# Altium PCB hand_logic.PcbDoc (part 2 of 4) (continued)
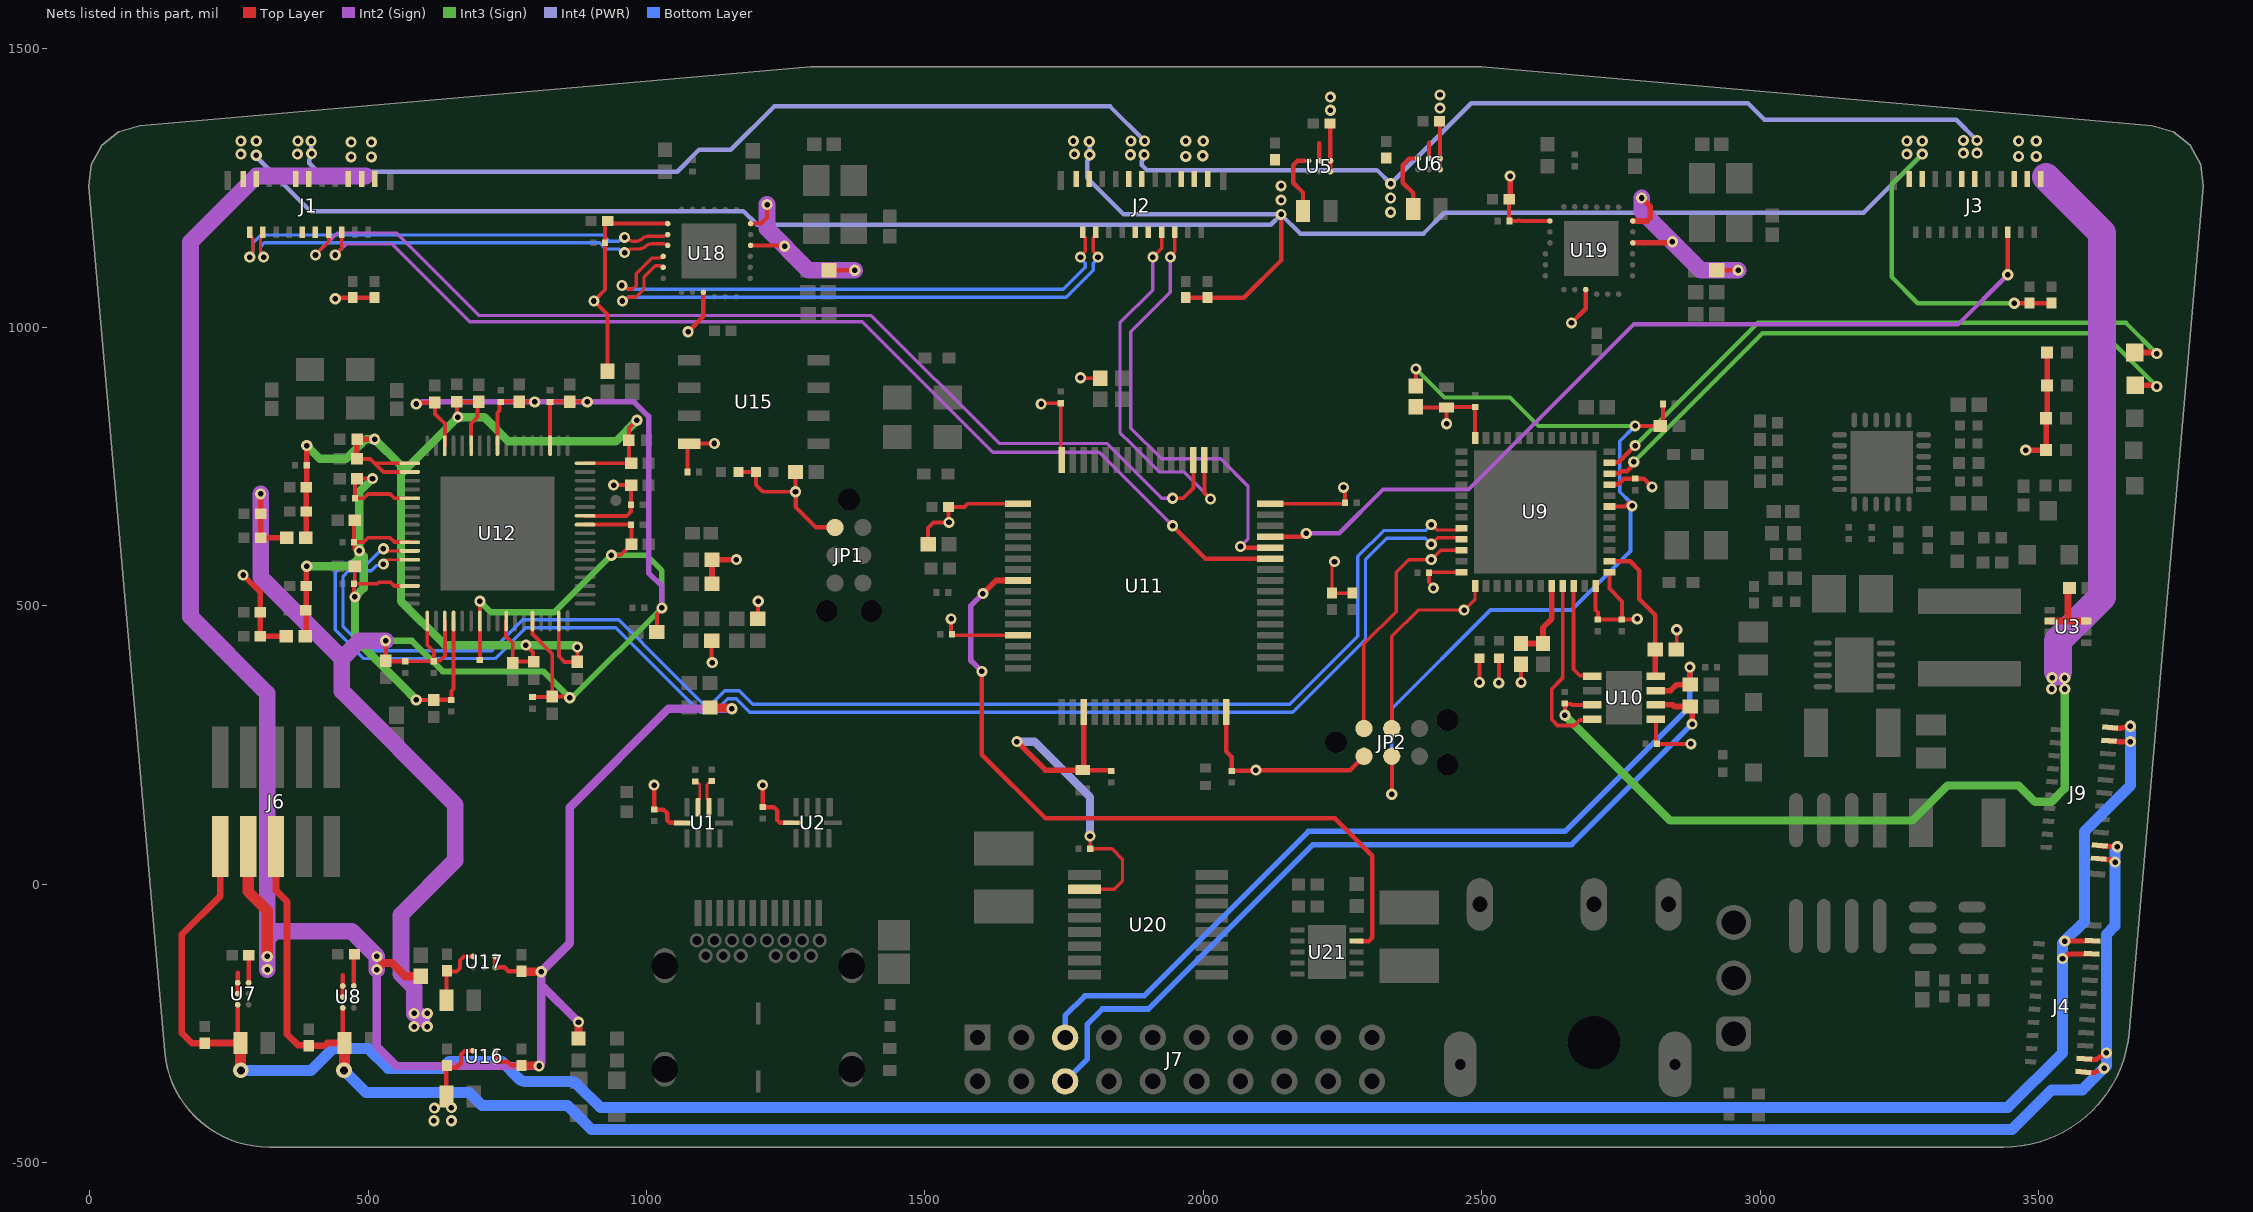
[diagram p6: the nets of this part, all layers, seen from the top]
## Part data (continued)
U4: library part CMP-12917-000005-1, "IC USB TYPE-C PORT CONTROL 24QFN"
U5 U7: library part CMP-0063-01484-2, "High Accuracy, Miniature 1A, Step-Down DC-DC Converter for Portable Applications, 6-pin Micro SMD, 250 Reel", Manufacturer="Texas Instruments", PackageTopMarking="XV*I T", PowerWise=N, Code_JEDEC=MO-211-DB, ComponentLink1Description="Datasheet URL", ComponentLink1URL=http://www.ti.com/general/docs/lit/getliterature.tsp?genericPartNumber=LM3691&fileType=pdf, CompType=MiscPower, High-Reliability=Y, PackageDescription="Thin Micro SMD, 6 Bump (Large), 0.5mm Pitch", PackageReference=YZR0006APAF, PartNumber=LM3691TL-3.3/NOPB, PinCount=6, RoHS=Y
U6 U8: library part CMP-0063-00271-3, "High Accuracy, Miniature 1A, Step-Down DC-DC Converter for Portable Applications, 6-pin Micro SMD, Pb-Free", Manufacturer="Texas Instruments", PackageTopMarking="XV*I Z", PowerWise=Y, Code_JEDEC=MO-211-DB, ComponentLink1Description="Datasheet URL", ComponentLink1URL=http://www.ti.com/general/docs/lit/getliterature.tsp?genericPartNumber=LM3691&fileType=pdf, CompType=MiscPower, High-Reliability=Y, PackageDescription="Thin Micro SMD, 6 Bump (Large), 0.5mm Pitch", PackageReference=YZR0006APAF, PartNumber=LM3691TL-1.8/NOPB, PinCount=6, RoHS=Y
U9: library part CMP-0304-00167-3, "IC MCU 32BIT 64KB FLASH 48UFQFPN", Case/Package=UFQFPN, Frequency=48MHz, Max Operating Temperature=85°C, Max Power Dissipation=625mW, Max Supply Voltage=3.6V, Min Operating Temperature=-40°C, Min Supply Voltage=2V, Package Quantity=1560, Core Architecture=ARM, Data Bus Width=32b, Interface=I2C, Lead Free="Lead Free", Max Frequency=48MHz, Memory Size=64KB, Memory Type=FLASH, Number Of Adc Channels=13, Number Of I/Os=37, Number of Pins=48, Number of Programmable I/O=37, Number Of Timers/Counters=9, Oscillator Type=Internal, Packaging=Tray, Peripherals=POR, Ram Size=16KB, RoHS Compliant=Yes, Watchdog Timer=Yes
U10: "Integrated Circuit", Manufacturer_Name="Texas Instruments", Mouser Part Number=595-TCAN1051GVDRBTQ1, Arrow Part Number=TCAN1051GVDRBTQ1, Arrow Price/Stock=https://www.arrow.com/en/products/tcan1051gvdrbtq1/texas-instruments?region=nac, Datasheet Link=http://www.ti.com/lit/gpn/tcan1051gv-q1, Height=1mm, Manufacturer_Part_Number=TCAN1051GVDRBTQ1, Mouser Price/Stock=https://www.mouser.co.uk/ProductDetail/Texas-Instruments/TCAN1051GVDRBTQ1?qs=HXFqYaX1Q2wS4ATjga%252BGjQ%3D%3D
U11: library part CMP-12105-000007-1, "IC MCU 32BIT 512KB FLASH 64LQFP", Ambient Temperature Range High=+85°C, Ambient Temperature Range Low=-40°C, Frequency=180MHz, Manufacturer=ST, Max Junction Temp=+105°C, Max Supply Voltage=3.6V, Min Supply Voltage=1.7V, Package=LQFP64-5W, Temperature="-40°C to +105°C", Automotive=No, Category=IC, ComponentLink2Description=Datasheet, ComponentLink2URL=https://www.st.com/en/microcontrollers-microprocessors/stm32f446re.html, Core Architecture="ARM Cortex-M4", Data Bus Width=32bits, Device Class L1="Integrated Circuits (ICs)", Device Class L2="Embedded Processors and Controllers", Device Class L3=Microcontrollers, Digikey Description="IC MCU 32BIT 512KB FLASH 64LQFP", Height=1.6mm, Interface=I2C,SPI,UART,USART,CAN,USB,LIN,IrDA,I2S,Other, Ipc Land Pattern Name=QFP50P1200X1200X160-64, Lead Free=Yes, Manufacturer Part Number=STM32F446RET6, Memory Size=512KBytes, Memory Type=FLASH, Mouser Description="ARM Microcontrollers - MCU High-performance and DSP with FP, ARM Cortex-M4 MCU with 512 Kbytes Flash, 180 MHz CPU, Art Accelerator, SDRAM", Number Of A/D Converters=3, Number Of Adc Channels=16, Number Of Cores=1, Number Of I2C Channels=4, Number Of I/Os=50, Number Of Pwm Channels=32, Number Of Spi Channels=4, Number Of Timers/Counters=14, Number Of Uart Channels=6, Number Of Usb Channels=2, Octopart=https://octopart.com/stm32f446ret6-stmicroelectronics-52642920, Ram Size=128KBytes, RoHS=TRUE, Standoff Height=0.05mm, Temperature Range High=+105°C, Temperature Range Low=-40°C
U12: "IC USB 3.0 HUB 4-PORT 68QFN", Manufacturer="Cypress Semiconductor", Part Number=CYUSB3304-68LTXC
U15: "No Description Available", Mfr_Name="ROHM Semiconductor", Copyright="Copyright (C) 2022 Ultra Librarian. All rights reserved.", Digi-Key_Part_Number_1=BR24S128F-WE2TR-ND, Digi-Key_Part_Number_2=BR24S128F-WE2CT-ND, Digi-Key_Part_Number_3=BR24S128F-WE2DKR-ND, Manufacturer_Part_Number=BR24S128F-WE2, RefDes=RefDes, Type=DEV
U16: "Buck Switching Regulator IC Positive Fixed 3.3V 1 Output 1A 6-WFBGA, DSBGA", Manufacturer="Texas Instruments", Part Number=LM3691TL-3.3/NOPB
U17: "Buck Switching Regulator IC Positive Fixed 1.2V 1 Output 1A 6-WFBGA, DSBGA", Manufacturer="Texas Instruments", Part Number=LM3691TL-1.2/NOPB
U18 U19: library part CMP-06284-000010-1, "IC HUB CTLR USB 2.0 24QFN", Ambient Temperature Range High=+85°C, Ambient Temperature Range Low=-40°C, Manufacturer=Microchip, Max Supply Voltage=3.6V, Min Supply Voltage=3V, Nominal Supply Current=29-70mA, Package=24-S4QFN-4x4B-0.5P, Temperature="-40°C to +85°C", Automotive=No, Category=IC, ComponentLink2Description=Datasheet, ComponentLink2URL=http://ww1.microchip.com/downloads/en/DeviceDoc/00001726B.pdf, Device Class L1="Integrated Circuits (ICs)", Device Class L2="Interface ICs", Device Class L3="USB Interface ICs", Digikey Description="IC HUB CTLR USB 2.0 24QFN", Height=1mm, Interface=I2C,USB,SMBus, Ipc Land Pattern Name=QFN50P400X400X90-24, Lead Free=Yes, Manufacturer Part Number=USB2422-I/MJ, Mouser Description="Microchip USB2422-I/MJ; USB Controller; USB 2.0; 3 - 3.6 V; 24-Pin SQFN", Number of Ports=2, Octopart=https://octopart.com/usb2422-i%2Fmj-microchip-29030614, RoHS=TRUE, Standoff Height=0mm, Temperature Range High=+85°C, Temperature Range Low=-40°C, Usb Standard="USB 2.0"
U20: library part CMP-04910-000015-1, "IC MONITOR PWR/CURR 16TSSOP", Ambient Temperature Range High=+125°C, Ambient Temperature Range Low=-40°C, Manufacturer="Texas Instruments", Max Junction Temp=+150°C, Max Supply Voltage=5.5V, Min Supply Voltage=2.7V, Nominal Supply Current=310uA, Output Current=10mA, Package=PW0016A, Temperature="-40°C to +125°C", Automotive=No, Category=IC, ComponentLink2Description=Datasheet, ComponentLink2URL=http://www.ti.com/lit/ds/symlink/ina260.pdf, Device Class L1="Integrated Circuits (ICs)", Device Class L2="Power Management ICs", Device Class L3=unset, Digikey Description="IC MONITOR PWR/CURR 16TSSOP", Height=1.2mm, Lead Free=Yes, Manufacturer Part Number=INA260AIPWR, Octopart=https://octopart.com/ina260aipwr-texas+instruments-75199489, RoHS=TRUE, Standoff Height=0.05mm, Temperature Range High=+125°C, Temperature Range Low=-40°C
U21: library part CMP-02501-000003-1, "IC PWR SWITCH P-CHAN 1:1 10DFN", Case/Package=DFN, Max Operating Temperature=85°C, Max Output Current=3.5A, Max Power Dissipation=1.42W, Max Supply Voltage=28V, Min Operating Temperature=-40°C, Min Supply Voltage=6V, On-State Resistance=56mR, Package Quantity=2500, Fault Protection="Over Temperature", Interface=On/Off, Mount="Surface Mount", Number of Outputs=1, Number of Pins=10, Output Configuration="High Side", Packaging="Tape and Reel", Radiation Hardening=No, Turn-Off Delay Time=1us, Turn-On Delay Time=550us, Weight=0.001764oz
U22: library part CMP-04918-000651-1, "IC REG BUCK ADJUSTABLE 3A 10VSON", Max Input Voltage=28V, Max Operating Temperature=85°C, Max Output Voltage=24V, Min Input Voltage=4.2V, Min Operating Temperature=-40°C, Min Output Voltage=800mV, Output Current=3A, Quiescent Current=600uA, Switching Frequency=570kHz, Lead Free="Lead Free", Mount="Surface Mount", Number of Outputs=1, Number of Pins=10, Output Configuration=Positive, Output Type=Adjustable, Output Voltage=24V, Packaging="Tape and Reel", REACH SVHC="No SVHC", RoHS Compliant=Yes, Synchronous Rectifier=Yes
Y1 Y2: "The sub miniature ECX-32 is a compact SMD Crystal. The 3.2 x 2.5 x 0.8 mm ceramic package is ideal for todayâ€™s SMD manufacturing environment.", Package=None, Availability=Unavailable, MF="{'manufacturer': u'ECS Inc.'}", MP=ECS-80-18-33-JGN-TR, Price=None
Y3: library part CMP-27762-002739-1, "Crystal 26MHz ±10ppm 10pF SMD-4 3.2mm x 2.5mm", Case/Package=CSMD, ESR (Equivalent Series Resistance)=50R, Frequency=26MHz, Frequency Stability=10ppm, Load Capacitance=10pF, Max Operating Temperature=60°C, Min Operating Temperature=-10°C, Operating Frequency="26 MHz", Package Quantity=1000, Resistor Type=Ceramic, Depth=2.5mm, Frequency Tolerance=10ppm, Height=0.031inch, Lead Free="Lead Free", Length=3.2mm, Mount="Surface Mount", Number of Pins=4, Packaging="Tape and Reel", REACH SVHC="No SVHC", Series=ABM8, Series Resistance=50R, Termination=SMD/SMT, Tolerance=10ppm, Width=2.5mm
Y4 Y5: library part CMP-27762-003871-2, "Crystal 24MHz ±20ppm (Tol) ±30ppm (Stability) 18pF FUND 60Ω 4-Pin SMD T/R", Case/Package=CSMD, ESR (Equivalent Series Resistance)=60R, Frequency=24MHz, Frequency Stability=30ppm, Frequency Tolerance=20ppm, Load Capacitance=18pF, Max Operating Temperature=85°C, Min Operating Temperature=-40°C, Operating Frequency="24 MHz", Package Quantity=1000, Depth=2.5mm, Height=0.039inch, Lead Free="Lead Free", Length=3.2mm, Mount="Surface Mount", Number of Pins=4, Packaging="Tape and Reel", Radiation Hardening=No, Series=ABM8G, Series Resistance=60R, Termination=SMD/SMT, Tolerance=20ppm, Width=0.098inch
Z1: "Zener Diode", Manufacturer_Name=Nexperia, Mouser Part Number=771-NZH10C-115, Arrow Part Number=NZH10C,115, Arrow Price/Stock=https://www.arrow.com/en/products/nzh10c115/nexperia?region=nac, Datasheet Link=https://assets.nexperia.com/documents/data-sheet/NZH_SER.pdf, Height=1.2mm, Manufacturer_Part_Number=NZH10C,115, Mouser Price/Stock=https://www.mouser.co.uk/ProductDetail/Nexperia/NZH10C115?qs=5DYmZrWuUEoyHVRX7wWPEg%3D%3D

## Free pads (board coordinates)
  round 20 smd: 2(944.88,688.98)

## Via types
v1: diameter 20, hole 10, Top Layer to Bottom Layer, tented both sides, 623 vias
v2: diameter 24, hole 12, Top Layer to Bottom Layer, tented both sides, 13 vias
v3: diameter 28, hole 14, Top Layer to Bottom Layer, tented both sides, 2 vias

## Nets (pads, with @x,y where several pads share a name; then routed paths per layer and width w, separated by ;. In a path a pad name is that pad's centre, name@x,y a point inside that pad or via, vN(x,y) a via of type N, cw(c..) or ccw(c..) an arc to the next point about the centre after c; other vN are vias at no path point)
1V2: C54.1 C57.1 C58.1 C66.1 C67.1 C68.1 C69.1 C70.1 C71.1 C72.1 C73.2 C74.2 C75.2 C76.2 C77.2 C78.2 FB3.1 L6.2 R27.2 U12.1 U12.3 U12.7 U12.13 U12.27 U12.37 U12.43 U12.49 U17.C1 | length 4547.2
  Top Layer w7: C68.1@566.93,400.2 C69.1@618.11,400.2 ; v1@592.89,864.96 C73.2@620.08,864.96 620.08,844.49 637.8,826.77 U12.49@637.8,787.4 ; U12.1@606.3,472.44 606.3,429.13 618.11,417.32 C69.1@618.11,400.2 ; U12.3@637.8,472.44 637.8,409.45 629.46,401.11 619.03,401.11 C69.1@618.11,400.2 ; L6.2@640.75,-208.66 640.75,-156.78 659.17,-156.78 665.35,-150.59 665.35,-136.81 672.24,-129.92 U17.C1@688.98,-129.92 ; C70.1@700.79,402.76 U12.7@700.79,472.44 v1(700.79,507.87) ; U12.43@732.28,787.4 732.28,846.46 736.22,850.39 736.22,864.17 C72.1@738.19,866.14 738.58,866.54 C76.2@771.65,866.54 798.82,866.54 v1(799.21,866.14) ; C66.1@795.28,335.83 829.72,335.83 C75.2@830.71,336.81 ; U12.13@795.28,472.44 795.28,448.82 830.71,413.39 C75.2@830.71,336.81 ; U12.37@826.77,787.4 C71.1@826.77,866.14 827.17,866.54 C74.2@862.2,866.54 893.31,866.54 v1(893.7,866.14) ; v1(862.2,334.65) 860.04,336.81 C75.2@830.71,336.81 ; U12.27@889.76,645.67 C67.1@972.44,645.67 973.23,644.88 C77.2@973.23,610.24 972.44,610.24 965.7,603.5 965.7,602.71 953.54,590.55 v1(937.01,590.55) ; R27.2@1018.7,452.76 1018.7,485.46 1027.56,494.32 v1(1027.56,496.06)
  Top Layer w8: v1(531.5,437.01) C78.2@531.5,401.18 532.48,400.2 C68.1@566.93,400.2
  Top Layer w10: v1(307.09,700.79) C58.1@307.09,665.35 C57.1@307.09,622.05 FB3.1@354.33,622.05
  Int2 (Sign) w10: v1(586.61,862.2) 588.53,864.12 595.24,864.12 597.47,866.35 v1@797.5,866.35 ; v1(799.21,866.14) v1(893.7,866.14) 977.87,866.14 1003.94,840.07 1003.94,559.06 1027.56,535.43 v1(1027.56,496.06)
  Int2 (Sign) w30: v1(307.09,700.79) 307.09,551.18 452.76,405.51 ; v1(531.5,437.01) 484.25,437.01 452.76,405.51 ; 597.03,-241.55 587.77,-232.28 v1(582.68,-232.28) 582.68,-185.04 559.06,-161.42 559.06,-55.12 656.5,42.32 656.5,142.72 452.76,346.46 452.76,405.51
  Int3 (Sign) w10: v1(862.2,334.65) 864.12,336.56 868.06,336.56 v1(1027.56,496.06) 1027.56,562.99 1000,590.55 v1(937.01,590.55)
  Int3 (Sign) w11: v1(531.5,437.01) 578.74,437.01 633.86,381.89 814.96,381.89 v1(862.2,334.65) ; v1(700.79,507.87) 720.47,488.19 834.65,488.19 v1(937.01,590.55)
  other v1: 582.68,-255.91 606.3,-255.91 606.3,-232.28
1V2_A: C59.1 C60.1 C61.1 C83.2 C84.2 C85.2 C86.2 C88.2 C89.2 C90.2 C91.2 C92.2 FB3.2 U12.10 U12.16 U12.34 U12.46 U12.52 U12.53 | length 2309.3
  Top Layer w7: C92.2@479.92,763.78 503.94,763.78 511.81,755.91 ; U12.53@574.8,740.16 527.56,740.16 511.81,755.91 ; U12.52@574.8,755.91 511.81,755.91 ; v1(661.42,838.58) 659.45,840.55 C85.2@659.45,866.14 C91.2@698.82,866.14 696.85,864.17 696.85,838.58 685.04,826.77 U12.46@685.04,787.4 ; U12.10@748.03,472.44 748.03,444.88 759.84,433.07 C88.2@759.84,397.24 762.2,399.61 C83.2@797.24,399.61 796.36,400.49 796.36,416.24 v1(783.46,429.13) ; U12.16@842.52,472.44 842.52,418.55 842.71,418.36 842.71,409.26 852.76,399.21 C89.2@875.98,399.21 v1(875.96,425.51) ; U12.34@889.76,755.91 C90.2@972.83,755.91 968.5,760.24 968.5,818.9 v1(982.67,833.06)
  Top Layer w10: FB3.2@388.08,622.05 388.92,622.89 C59.1@388.92,669.29 C60.1@388.92,712.6 389.76,713.44 C61.1@389.76,751.97 v1(389.76,787.4) ; C92.2@479.92,763.78 479.92,798.82 C84.2@480.31,799.21 511.5,799.21 v1(511.81,798.9)
  Int3 (Sign) w15: v1(389.76,787.4) 413.39,763.78 460.63,763.78 495.75,798.9 v1(511.81,798.9) 559.06,751.65 559.06,736.22 ; v1(875.96,425.51) 874.61,425.51 870.99,429.13 637.8,429.13 559.06,507.87 559.06,736.22 ; v1(982.67,833.06) 944.88,795.28 751.97,795.28 708.66,838.58 v1(661.42,838.58) 559.06,736.22
1V8_FINGER: C15.1 J1.11 J1.13 J2.11 J2.13 J3.11 J3.13 L2.2 U6.C1 | length 3365
  Top Layer w8: C15.1@2327.9,1303.15 C15.1@2328.74,1303.99 ; L2.2@2376.97,1212.6 2376.97,1241.14 2358.27,1259.84 2358.27,1291.34 2370.08,1303.15 U6.C1@2385.83,1303.15
  Int4 (PWR) w8: v1(397.64,1334.65) 398.13,1334.15 398.13,1312.5 v1(398.62,1312.01) 396.33,1309.71 396.33,1303.37 394.28,1301.32 394.28,1294.69 409.45,1279.53 1055.12,1279.53 1094.49,1318.9 1151.57,1318.9 1229.33,1396.65 1832.68,1396.65 v1(1894.68,1334.65) ; v1(1893.7,1310.04) 1891.4,1307.74 1891.4,1300.99 1889.76,1299.35 1889.76,1291.34 1898.62,1282.48 2312.01,1282.48 v1(2336.61,1257.87) 2481.3,1402.56 2978.35,1402.56 3007.87,1373.03 3352.36,1373.03 v1(3389.76,1335.63)
  other v1: 2336.61,1206.69 2336.61,1232.28 1869.09,1310.04 373.03,1311.02 3365.16,1312.99 3389.76,1312.99 374.02,1334.65 1870.08,1334.65 3365.16,1335.63
1V8_PALM: C19.1 J4.1 J4.3 J6.5 J9.1 J9.3 L4.2 U8.C1 | length 4376.1
  Top Layer w8: U8.C1@454.72,-222.44 454.72,-282.48 L4.2@457.68,-285.43
  Top Layer w9: J4.1@3580.82,-337.56 3590.46,-338.34 3597.29,-338.89 ; J4.3@3582.47,-313.99 3592.11,-314.76 3599.89,-315.38 ; 3597.33,-338.89 ccw(c3598.01,-329.92) 3601.68,-338.13 v1(3618.11,-330.71) ; 3599.94,-315.39 ccw(c3600.61,-306.41) 3605.51,-313.96 v1(3622.05,-303.15)
  Top Layer w10: J9.1@3608.23,45.66 3628.14,43.5 cw(c3627.06,33.56) 3631.53,42.5 v1(3637.8,39.37) ; J9.3@3610.29,69.2 v1(3641.73,66.93)
  Top Layer w12: J6.5@334.65,67.52 334.65,-11.81 354.33,-31.5 354.33,-269.69 373.97,-289.33 392.53,-289.33 C19.1@393.7,-290.49 422.1,-290.49 427.17,-285.43 L4.2@457.68,-285.43
  Top Layer w20: v3(456.69,-334.65) 457.68,-333.66 L4.2@457.68,-285.43
  Bottom Layer w20: v3(456.69,-334.65) 496.46,-374.41 681.5,-374.41 704.72,-397.64 858.27,-397.64 901.57,-440.94 3452.76,-440.94 3523.62,-370.08 3578.74,-370.08 v1(3618.11,-330.71) 3622.05,-326.77 v1(3622.05,-303.15) 3622.05,-90.55 3637.8,-74.8 v1(3637.8,39.37) 3637.8,62.99 v1(3641.73,66.93)
3V3: C1.1 C6.1 C22.2 C23.2 C24.2 C25.2 C26.2 C27.1 C32.2 C36.2 C37.2 C38.2 C39.2 C40.2 C42.1 C43.1 C52.2 C53.1 C62.1 C63.1 C87.1 C97.2 C98.1 C99.1 C104.1 C105.1 C111.2 FB4.1 JP1.1 JP2.1 L5.2 R12.2 R13.2 R14.1 R15.1 R16.2 R19.2 R22.1 R23.1 R24.2 R28.2 R29.2 R32.2 R33.2 R42.2 R43.2 R44.2 R46.2 R51.2 R56.2 R57.2 R71.2 R72.2 R84.2 U1.5 U2.5 U9.1 U9.9 U9.24 U9.36 U9.48 U10.5 U11.1 U11.13 U11.19 U11.32 U11.48 U11.64 U12.28 U15.8 U16.C1 U18.1 U18.9 U18.16 U18.18 U19.1 U19.9 U19.16 U19.18 U20.10 | length 5729.4
  Top Layer w6: U20.10@1786.92,-9.34 1840.07,-9.34 1854.84,5.43 1854.84,44.8 1836.14,63.5 C111.2@1796.96,63.5 1796.96,85.7 v1(1796.65,86.02) ; v1(2235.75,579.21) 2235.75,575.42 2231.3,570.97 R57.2@2231.3,522.64 R56.2@2267.72,522.64
  Top Layer w7: U12.28@889.76,661.42 964.57,661.42 972.21,669.06 972.21,680.87 C87.1@972.44,681.1 972.44,716.14 C97.2@972.83,716.54 v1(940.94,716.54) ; R84.2@930.12,921.26 930.12,1022.64 v1(905.51,1047.24) 925.79,1067.52 925.79,1186.47 C99.1@930.26,1190.94 934.88,1186.32 U18.1@1038.09,1186.32 ; C52.2@1073.62,740.16 1073.62,787.85 U15.8@1076.91,791.14 1121.85,791.14 v1(1122.05,791.34) ; R28.2@1117.13,437.01 1117.13,398.62 v1(1118.11,397.64) ; R43.2@1165.35,740.16 R44.2@1196.85,740.16 1196.85,716.54 1206.61,706.77 ; U18.16@1186.88,1146.95 1246.75,1146.95 v1(1248.03,1145.67) ; U18.18@1186.88,1186.32 1206,1186.32 1216.54,1196.85 v1(1216.54,1220.47) ; R29.2@1199.8,476.38 1200.3,476.87 1200.3,507.38 v1(1200.79,507.87) ; 1206.63,706.75 ccw(c1211.56,711.72) 1211.56,704.72 v1(1267.72,704.72) R42.2@1267.72,740.16 ; R72.2@1505.91,610.24 1505.91,639.76 1515.75,649.61 v1(1543.31,649.61) 1542.46,650.45 C43.1@1542.46,677.17 1570.87,677.17 1576.77,683.07 U11.1@1667.32,683.07 ; v1(1547.24,476.38) 1547.24,450 C39.2@1548.43,448.82 1550.39,446.85 U11.13@1667.32,446.85 ; v1(1708.66,862.2) 1710.04,863.58 C38.2@1744.09,863.58 1744.09,763.78 U11.64@1746.06,761.81 ; v1(1779.53,909.45) 1780.51,908.46 R24.2@1814.96,908.46 ; U11.48@2120.08,683.07 2252.76,683.07 C37.2@2254.72,685.04 2254.72,706.32 2251.97,709.08 v1(2251.97,712.6) ; R71.2@2381.89,857.28 2383.37,855.81 C27.1@2437.01,855.81 ; v1(2413.39,531.5) 2413.39,534.22 2405.51,542.1 C22.2@2405.51,559.06 2406.5,560.04 U9.36@2463.58,560.04 ; v1(2437.01,826.77) C27.1@2437.01,855.81 ; U9.24@2488.19,801.18 C23.2@2488.19,857.09 2438.29,857.09 C27.1@2437.01,855.81 ; v1(2496.06,362.2) R12.2@2496.06,405.51 ; v1@2531.5,362.2 R13.2@2531.5,405.51 ; C105.1@2549.49,1230.32 2549.49,1191.26 C104.1@2549.8,1190.94 2560.69,1190.94 ccw(c2560.66,1197.94) 2562.35,1191.15 cw(c2566.93,1173.23) 2571.51,1191.15 ccw(c2573.2,1197.94) 2573.16,1190.94 U19.1@2622.74,1190.94 ; v1(2570.87,362.2) R16.2@2570.87,394.69 ; U9.48@2704.72,535.43 2704.72,492.13 2708.66,488.19 C24.2@2708.66,475 C26.2@2751.97,475 ; U9.1@2729.33,560.04 2729.33,530.51 2751.97,507.87 C26.2@2751.97,475 ; v1(2779.53,476.38) 2778.15,475 C26.2@2751.97,475 ; C32.2@2814.96,251.97 2812.99,253.94 U10.5@2812.99,296.26 U10.5@2814.96,294.29 ; C32.2@2815.18,251.75 2875.7,251.75 v1(2875.85,251.9) ; R19.2@2849.41,421.26 2850.39,422.24 v1(2850.39,456.69)
  Top Layer w8: L5.2@640.75,-381.89 640.75,-330.85 641.75,-329.84 658.35,-329.84 667.32,-320.87 667.32,-306.1 674.21,-299.21 U16.C1@688.98,-299.21 ; v1(1013.78,177.85) C1.1@1013.78,133.86 1030.51,133.86 1037.4,126.97 1037.4,114.53 1042.09,109.84 U1.5@1065.55,109.84 ; v1(1074.8,992.13) 1102.36,1019.69 U18.9@1102.36,1062.99 ; v1(1208.66,177.85) C6.1@1208.66,138.39 1228.74,138.39 1235.24,131.89 1235.24,114.92 1239.92,110.24 U2.5@1261.42,110.24 ; v1(1267.72,704.72) 1267.72,677.17 1304.33,640.55 JP1.1@1338.58,640.55 ; R46.2@1327.76,1102.36 v1(1374.02,1102.36) ; C42.1@1783.46,204.72 1833.27,204.72 C40.2@1834.65,203.35 ; U11.32@2041.34,309.06 2041.34,238.19 2051.18,228.35 C36.2@2051.18,203.35 2093.11,203.35 v1(2094.49,204.72) 2263.78,204.72 JP2.1@2288.58,229.53 ; v1(2661.42,1007.87) 2687.01,1033.46 U19.9@2687.01,1067.62 ; U9.9@2729.33,717.52 2730.31,718.5 2746.06,718.5 2755.71,728.15 2791.54,728.15 v1(2806.24,713.44) ; R51.2@2922.24,1102.36 v1(2960.63,1102.36)
  Top Layer w10: v1(275.59,555.12) 306.24,524.47 C62.1@306.24,488.19 C63.1@306.24,444.88 FB4.1@353.21,444.88 ; R33.2@1117.74,539.37 R32.2@1117.74,582.68 v1(1161.42,582.68) ; v1(1665.35,255.91) 1716.54,204.72 C42.1@1783.46,204.72 1785.43,206.69 U11.19@1785.43,309.06 ; C105.1@2549.49,1230.32 2551.18,1232 v1(2551.18,1271.65) ; U19.16@2771.53,1151.57 2833.48,1151.57 2833.54,1151.63 2840.61,1151.63 v1(2842.52,1153.54) ; U19.18@2771.53,1190.94 2797.24,1190.94 2803.15,1196.85 2803.15,1216.54 v1(2787.4,1232.28) ; v1(3477.36,779.53) R23.1@3513.78,779.53 R22.1@3513.78,836.61 3515.75,838.58 R15.1@3515.75,895.67 R14.1@3515.75,954.72
  Int2 (Sign) w30: v1(1216.54,1220.47) 1216.54,1177.17 1291.34,1102.36 v1(1374.02,1102.36) ; v1(2787.4,1232.28) 2787.4,1208.66 2893.7,1102.36 v1(2960.63,1102.36)
  Int4 (PWR) w15: v1(1665.35,255.91) 1696.85,255.91 1796.65,156.11 v1(1796.65,86.02)
  other v1: 618.11,-425.2 649.61,-425.2 618.95,-402.42 649.61,-401.57 2530.8,361.26
3V3_A: C64.1 C65.1 C79.1 C80.1 C81.1 C82.1 C93.2 C94.2 C95.2 C96.2 FB4.2 U12.4 U12.56 U12.61 U12.66 | length 1407.9
  Top Layer w7: C94.2@475.98,570.87 475.98,540.35 C82.1@475,539.37 ; C93.2@475.98,653.54 475,652.56 C81.1@475,614.17 ; v1(476.38,515.75) 475,517.13 C82.1@475,539.37 ; v1(484.25,598.43) 481.76,600.91 476.02,600.91 475.69,601.24 475.69,613.48 C81.1@475,614.17 ; v1(507.87,728.35) C96.2@479.92,728.35 476.38,724.8 C80.1@476.38,692.91 492.13,692.91 500,700.79 539.37,700.79 547.24,692.91 U12.56@574.8,692.91 ; U12.66@574.8,535.43 547.24,535.43 540.56,542.12 519.9,542.12 517.14,539.37 C82.1@475,539.37 ; U12.61@574.8,614.17 547.24,614.17 539.37,622.05 500,622.05 492.13,614.17 C81.1@475,614.17 ; v1(586.61,330.71) C95.2@618.11,330.71 ; C79.1@649.61,330.71 649.61,346.46 653.54,350.39 U12.4@653.54,472.44
  Top Layer w8: C95.2@618.11,330.71 C79.1@649.61,330.71
  Top Layer w10: FB4.2@386.95,444.88 388.92,446.85 C65.1@388.92,535.43 388.92,570.02 v1(389.76,570.87)
  Int3 (Sign) w15: v1(389.76,570.87) 468.5,570.87 483.3,585.66 483.3,597.47 v1(484.25,598.43) ; v1(507.87,728.35) 484.25,704.72 v1(484.25,598.43) ; v1(586.61,330.71) 573.68,343.64 573.68,343.97 476.38,441.27 v1(476.38,515.75) 492.13,531.5 492.13,589.2 484.25,597.07 v1(484.25,598.43)
3V3_FINGER: C14.1 J1.19 J1.21 J2.19 J2.21 J3.19 J3.21 L1.2 R61.2 R62.2 R63.2 R64.2 R65.2 R66.2 U5.C1 | length 4595.6
  Top Layer w8: v1(440.94,1051.18) 442.91,1053.15 R62.2@472.44,1053.15 R61.2@511.81,1053.15 ; R64.2@1968.5,1053.15 R63.2@2007.87,1053.15 2072.83,1053.15 2139.76,1120.08 v1(2139.76,1202.76) ; C14.1@2128.09,1298.23 C14.1@2128.94,1299.07 ; L1.2@2179.13,1208.66 2179.13,1242.13 2161.42,1259.84 2161.42,1291.34 2169.29,1299.21 U5.C1@2188.98,1299.21 ; v1(3456.69,1043.31) 3479.39,1043.31 R66.2@3484.25,1043.31 R65.2@3523.62,1043.31
  Int3 (Sign) w8: v1(3291.34,1311.02) 3236.22,1255.91 3236.22,1090.55 3283.46,1043.31 v1(3456.69,1043.31)
  Int4 (PWR) w8: v1(299.21,1309.06) 299.21,1306.1 396.65,1208.66 1174.21,1208.66 1198.82,1184.06 2121.06,1184.06 v1(2139.76,1202.76) ; v1(1795.28,1333.66) 1795.78,1333.16 1795.78,1310.52 v1(1796.26,1310.04) 1793.96,1307.74 1793.96,1301.98 1791.34,1299.35 1791.34,1268.7 1857.28,1202.76 v1(2139.76,1202.76) ; v1(3291.34,1311.02) 3186.02,1205.71 2433.07,1205.71 2395.67,1168.31 2174.21,1168.31 v1(2139.76,1202.76)
  other v1: 2139.76,1228.35 2139.76,1253.94 271.65,1311.02 1768.7,1311.02 3263.78,1311.02 271.65,1334.65 299.21,1334.65 1766.73,1334.65 3263.78,1334.65 3291.34,1334.65
3V3_PALM: C18.1 J4.19 J4.21 J6.1 J9.19 J9.21 L3.2 U7.C1 | length 4797.1
  Top Layer w8: U7.C1@265.75,-216.54 265.75,-280.51 L3.2@270.67,-285.43
  Top Layer w9: v1(3543.31,-133.86) 3545.7,-133.86 3554.08,-125.48 J4.19@3595.65,-125.48 ; v1(3547.24,-102.36) 3547.69,-101.91 J4.21@3597.3,-101.91
  Top Layer w10: J9.19@3626.76,257.45 3645.26,255.94 ; J9.21@3628.82,280.99 3644.25,279.65 ; 3644.29,279.65 ccw(c3645.11,289.61) 3647.03,279.8 v1(3665.35,283.46) ; 3645.28,255.94 ccw(c3646.08,265.91) 3646.08,255.91 v1(3665.35,255.91)
  Top Layer w12: J6.1@234.65,67.52 234.65,-21.26 165.35,-90.55 165.35,-267.72 183.35,-285.71 C18.1@206.69,-285.71 206.97,-285.43 L3.2@270.67,-285.43
  Top Layer w20: L3.2@270.67,-285.43 270.67,-333.66 v3(271.65,-334.65)
  Bottom Layer w20: v3(271.65,-334.65) 397.64,-334.65 437.01,-295.28 500,-295.28 535.43,-330.71 633.86,-330.71 645.67,-318.9 740.16,-318.9 770.11,-348.85 770.15,-348.89 ccw(c784.26,-334.71) 784.26,-354.71 862.18,-354.71 cw(c862.18,-374.71) 876.32,-360.57 917.32,-401.57 3444.88,-401.57 3543.31,-303.15 v1(3543.31,-133.86) 3543.31,-106.3 v1(3547.24,-102.36) 3582.68,-66.93 3582.68,94.49 3665.35,177.17 v1(3665.35,255.91) v1(3665.35,283.46)
5V: C16.1 C17.1 C20.1 C21.1 C31.2 C55.1 C56.1 J1.1 J1.3 J1.5 J2.1 J2.3 J2.5 J3.1 J3.3 J3.5 J6.3 R7.1 R39.2 R45.1 R85.2 U3.2 U3.7 U5.A1 U5.A2 U5.B1 U6.A1 U6.A2 U6.B1 U7.A1 U7.A2 U7.B1 U8.A1 U8.A2 U8.B1 U10.3 U16.A1 U16.A2 U17.A1 U17.A2 | length 6726.7
  Top Layer w7: v1(2649.61,303.15) C31.2@2649.61,324.21 2650.52,323.3 2660.96,323.3 2662.4,321.85 U10.3@2698.82,321.85
  Top Layer w8: U7.B1@265.75,-196.85 U7.A1@265.75,-177.17 265.75,-159.45 ; U7.A2@285.43,-177.17 285.43,-128.23 C21.1@285.71,-127.95 ; U8.B1@454.72,-202.76 U8.A1@454.72,-183.07 454.72,-163.39 ; U8.A2@474.41,-183.07 474.41,-127.11 C20.1@475.53,-125.98 ; U16.A1@728.35,-299.21 U16.A2@728.35,-318.9 749.89,-318.9 756.78,-325.79 775.45,-325.79 C55.1@775.59,-325.93 ; U17.A1@728.35,-129.92 U17.A2@728.35,-149.61 745.08,-149.61 752.11,-156.64 C56.1@775.59,-156.64 ; U5.B1@2208.66,1299.21 2208.66,1330.71 ; C16.1@2223.57,1366.14 2228.35,1361.36 U5.A1@2228.35,1299.21 U5.A2@2228.35,1279.53 ; U6.B1@2405.51,1303.15 2405.51,1331.69 ; C17.1@2424.35,1370.08 2425.2,1369.23 U6.A1@2425.2,1303.15 U6.A2@2425.2,1283.46
  Top Layer w12: U3.2@3520.16,472.44 3553.15,472.44 ; R7.1@3556.1,531.5 3553.15,528.54 3553.15,472.44 ; U3.7@3586.14,472.44 3553.15,472.44
  Top Layer w15: v1(515.75,-153.54) 527.56,-141.73 542.56,-141.73 566.18,-165.35 R45.1@594.49,-165.35 ; C55.1@775.59,-325.93 806.24,-325.93 v1(807.09,-326.77) ; C56.1@775.59,-156.64 776.43,-157.48 v1(811.02,-157.48) ; R39.2@877.95,-277.56 v1(877.95,-248.03) ; R85.2@1114.17,316.93 1150.22,316.93 1152.19,314.96 v1(1153.54,314.96)
  Top Layer w20: J6.3@284.65,67.52 284.65,-12.99 318.9,-47.24 v1(318.9,-129.92)
  Int2 (Sign) w15: v1(515.75,-153.54) 515.75,-291.34 551.18,-326.77 v1(807.09,-326.77) 807.09,-325.42 811.02,-321.48 811.02,-181.1 ; v1(877.95,-248.03) 811.02,-181.1 ; v1(1153.54,314.96) 1039.37,314.96 862.2,137.8 862.2,-106.3 v1(811.02,-157.48) 811.02,-181.1
  Int2 (Sign) w30: v1(318.9,-153.54) v1(318.9,-129.92) 318.9,-98.43 ; 496.06,1271.65 299.21,1271.65 181.1,1153.54 181.1,480.31 318.9,342.52 318.9,-98.43 ; v1(515.75,-153.54) v1(515.75,-129.92) 470.47,-84.65 332.68,-84.65 318.9,-98.43
  Int2 (Sign) w50: 3513.39,1270.07 3614.17,1169.29 3614.17,515.75 3535.43,437.01 3535.43,381.89
  Int3 (Sign) w15: v1(2649.61,303.15) 2838.58,114.17 3273.62,114.17 3336.61,177.17 3464.57,177.17 3494.09,147.64 3523.62,147.64 3547.24,171.26 v1@3547.24,349.04
  other v1: 3523.62,350.39 3547.24,350.39 3547.24,370.08 3524.73,370.48 469.49,1306.1 505.91,1306.1 1968.5,1307.09 3464.57,1307.09 3496.06,1307.09 1999.02,1308.07 469.49,1332.68 505.91,1332.68 1968.5,1334.65 2000,1334.65 3464.57,1334.65 3496.06,1334.65 2228.35,1389.76 2425.2,1393.7 2228.35,1413.39 2425.2,1417.32
_USB_TX_N: C2.1 U1.2 | length 53.2
  Top Layer w5: U1.2@1112.2,137.8 1112.2,150 1108.86,153.34 1108.86,178.9 1111.79,181.83 1114.11,181.83 C2.1@1117.13,184.84
_USB_TX_P: C3.1 U1.3 | length 52.8
  Top Layer w5: C3.1@1087.6,184.45 1090.61,181.44 1092.93,181.44 1095.86,178.51 1095.86,153.34 1092.52,150 U1.3@1092.52,137.8
CAN_BOOT: R16.1 R18.2 U9.44 | length 149.2
  Top Layer w10: R16.1@2570.87,432.09 R18.2@2610.24,432.09 2610.24,460.63 2625.98,476.38 U9.44@2625.98,535.43
CAN_INTF_H: J7.5 R20.2 U10.7 | length 1560.6
  Top Layer w8: R20.2@2874.02,359.25 R20.2@2875,358.27
  Top Layer w10: U10.7@2812.99,347.44 2839.57,347.44 2850.39,358.27 R20.2@2875,358.27 ; R20.2@2874.02,359.25 v1(2874.02,389.76)
  Bottom Layer w10: J7.5@1751.97,-275.59 1751.97,-236.22 1787.4,-200.79 1893.7,-200.79 2188.98,94.49 2649.61,94.49 2874.02,318.9 v1(2874.02,389.76)
CAN_INTF_L: J7.6 R21.1 U10.6 | length 1524.6
  Top Layer w8: R21.1@2875,318.9 R21.1@2877.95,315.95
  Top Layer w10: U10.6@2812.99,321.85 2843.5,321.85 2846.46,318.9 R21.1@2875,318.9 ; v1(2877.95,287.4) R21.1@2877.95,315.95
  Bottom Layer w10: J7.6@1751.97,-354.33 1791.34,-314.96 1791.34,-251.97 1818.9,-224.41 1901.57,-224.41 2196.85,70.87 2661.42,70.87 v1(2877.95,287.4)
CAN_LED0: D3.1 U9.10 | length 1172.2
  Top Layer w8: U9.10@2729.33,737.2 2729.66,737.53 2746.71,737.53 2750.32,741.15 2760.83,741.15 2768.03,748.35 2768.03,749.76 2773.26,754.99 v1(2773.26,758.24)
  Top Layer w10: D3.1@3671.26,895.67 D3.1@3674.21,895.67 3707.92,895.67 3709.89,893.7 v1(3712.6,893.7)
  Int3 (Sign) w8: v1(2773.26,758.24) 3004.4,989.38 3616.92,989.38 v1(3712.6,893.7)
CAN_LED1: D2.1 U9.11 | length 1161.5
  Top Layer w8: U9.11@2729.33,756.89 2730.24,757.8 2745.98,757.8 2754.26,766.07 ; 2754.26,766.11 v1(2775.57,787.42)
  Top Layer w10: D2.1@3684.46,954.16 ccw(c3683.98,944.17) 3683.98,954.17 D2.1@3673.23,954.72 3707.92,954.72 3709.89,952.76 v1(3712.6,952.76)
  Int3 (Sign) w8: v1@2775.61,787.42 2996.06,1007.87 3657.48,1007.87 v1(3712.6,952.76)
CAN_MCU_RESET: C30.2 JP2.3 R17.2 R71.1 U9.7 | length 1612.6
  Top Layer w7: v1(2338.58,161.42) JP2.3@2338.58,229.53 ; R71.1@2381.89,894.69 v1(2381.89,925.2) ; U9.7@2729.33,678.15 2757.31,678.15 2764.2,685.04 2769.91,679.33 v1(2770.26,679.33) ; v1(2775.59,822.83) R17.2@2820.87,822.83 2825.59,827.56 C30.2@2825.59,862.2
  Int3 (Sign) w7: v1(2381.89,925.2) 2433.07,874.02 2551.18,874.02 2602.36,822.83 v1(2775.59,822.83)
  Bottom Layer w7: v1(2338.58,161.42) 2338.58,314.96 2515.75,492.13 2661.42,492.13 2767.72,598.43 2767.72,668.73 2767.77,668.79 2767.77,676.84 v1(2770.26,679.33) ; v1@2767.72,679.33 2767.72,685.04 2748.03,704.72 2748.03,795.28 v1(2775.59,822.83)
CAN_MCU_SWDCLK: JP2.4 U9.37 | length 366.3
  Top Layer w6: JP2.4@2338.58,279.53 2338.58,444.88 2385.83,492.13 v1(2468.5,492.13) 2488.19,511.81 U9.37@2488.19,535.43
CAN_MCU_SWDIO: JP2.2 U9.34 | length 437.9
  Top Layer w6: JP2.2@2288.58,279.53 2288.58,431.3 2346.46,489.17 2346.46,560.04 2369.09,582.68 v1(2409.45,582.68) 2426.18,599.41 U9.34@2463.58,599.41
CAN_RX: U9.45 U10.4 | length 330.1
  Top Layer w7: U9.45@2645.67,535.43 2645.67,372.98 cw(c2638.67,372.98) 2643.62,368.03 2625.98,350.39 2625.98,295.28 2636.61,284.65 2666.54,284.65 2676.25,294.36 2696.92,294.36 U10.4@2698.82,296.26
CAN_S: R19.1 U9.2 U10.8 | length 263.3
  Top Layer w8: U9.2@2729.33,579.72 2766.73,579.72 2783.46,562.99 2783.46,511.81 2812.01,483.27 R19.1@2812.01,421.26
  Top Layer w10: R19.1@2812.01,421.26 2812.01,374.02 U10.8@2812.99,373.03
CAN_TX: U9.46 U10.1 | length 188.4
  Top Layer w7: U9.46@2665.35,535.43 2665.35,385.83 2676.25,374.93 2696.92,374.93 U10.1@2698.82,373.03
CAN_USB_D1_N: U9.32 U12.63 | length 2580.5
  Top Layer w5: v1(527.56,574.8) cw(c535.43,574.8) 535.43,582.68 U12.63@574.8,582.68 U12.63@574.25,583.23
  Top Layer w6: v1(2409.45,645.67) 2410.23,645.67 2419.96,635.94 2460.74,635.94 U9.32@2463.58,638.78
  Bottom Layer w6: v1(527.56,574.8) 525.06,572.3 515.19,572.3 505.38,562.49 464.18,562.49 454.94,553.26 454.94,462.38 498.32,419.01 722.16,419.01 777.78,474.63 950.57,474.63 991.11,434.08 996.06,429.13 1102.36,322.83 1116.16,322.83 1140.29,346.96 1166.8,346.96 1190.92,322.83 2155.29,322.83 2277.34,444.88 2277.34,588.48 2323.82,634.95 2398.73,634.95 v1(2409.45,645.67)
CAN_USB_D1_P: U9.33 U12.62 | length 2631.1
  Top Layer w5: v1(527.56,602.36) ccw(c531.5,602.36) 531.5,598.43 U12.62@574.8,598.43 U12.62@574.25,597.88
  Top Layer w6: v1(2409.45,610.24) 2421.15,621.94 2460.74,621.94 U9.33@2463.58,619.09
  Bottom Layer w6: v1(527.56,602.36) 525.46,602.36 499.58,576.49 458.38,576.49 440.94,559.06 440.94,456.58 492.52,405.01 727.96,405.01 783.58,460.63 944.77,460.63 1096.56,308.83 1121.96,308.83 1146.09,332.96 1161,332.96 1185.13,308.83 2161.09,308.83 2291.34,439.08 2291.34,582.68 2329.61,620.95 2398.73,620.95 v1(2409.45,610.24)
CTRL_PWR_EN: U11.8 U21.4 | length 1333.3
  Top Layer w8: v1(1602.36,381.89) 1602.36,232.28 1716.54,118.11 2236.22,118.11 2303.59,50.74 2303.59,-96.5 2297.73,-102.36 U21.4@2275.61,-102.36
  Top Layer w10: v1(1604.33,521.65) 1627.95,545.28 U11.8@1667.32,545.28
  Int2 (Sign) w10: v1(1602.36,381.89) 1582.68,401.57 1582.68,500 v1(1604.33,521.65)
FINGER_1_I2C_INT: J1.6 U11.43 | length 1966.9
  Top Layer w6: v1(440.94,1129.92) 452.76,1141.73 J1.6@452.76,1170.67
  Top Layer w8: v1(1944.88,643.57) 2003.8,584.65 U11.43@2120.08,584.65
  Int2 (Sign) w6: v1(440.94,1129.92) 460.63,1149.61 543.31,1149.61 682.79,1010.13 1387.51,1010.13 1622.05,775.59 1812.86,775.59 v1(1944.88,643.57)
FINGER_1_SIG_CH1: J1.8 U11.52 | length 1899
  Top Layer w6: v1(405.51,1129.92) 429.13,1153.54 J1.8@429.13,1170.67
  Top Layer w7: v1(1944.88,692.91) 1963.81,692.91 1982.28,711.39 U11.52@1982.28,761.81
  Int2 (Sign) w6: v1(405.51,1129.92) 444.88,1169.29 551.18,1169.29 699.35,1021.13 1404.07,1021.13 1633.86,791.34 1826.77,791.34 1925.2,692.91 v1(1944.88,692.91)
FINGER_1_SIG_CH2: J1.10
FINGER_1_SIG_CH3: J1.12
FINGER_1_USB_DN: J1.20 U18.2 | length 830.2
  Top Layer w6: J1.20@287.4,1170.67 289.32,1163.43 291.14,1161.61 cw(c286.9,1157.37) 292.9,1157.37 292.9,1137.76 cw(c286.9,1137.76) v1@291.16,1133.53 ; v1(960.63,1161.42) cw(c960.63,1152.4) 967.01,1158.78 967.76,1158.03 ccw(c975.94,1166.21) 975.94,1154.64 981.31,1154.64 ccw(c981.31,1170.26) 992.36,1159.21 cw(c1003.41,1148.17) 1003.41,1163.79 1031.23,1163.79 ccw(c1031.23,1170.93) 1036.28,1165.88 cw(c1038.09,1164.07) U18.2@1038.09,1166.63
  Bottom Layer w6: v1(287.4,1125.98) 287.4,1129.77 292.9,1135.27 292.9,1150.78 307.98,1165.86 921.66,1165.86 932.88,1154.64 950.12,1154.64 956.89,1161.42 v1(960.63,1161.42)
FINGER_1_USB_DP: J1.18 U18.3 | length 804.8
  Top Layer w6: 306.9,1135.27 306.9,1158.75 cw(c312.9,1158.75) 308.64,1162.97 309.1,1163.43 J1.18@311.02,1170.67 ; v1(960.63,1134.2) 964.42,1134.2 970.86,1140.64 987.11,1140.64 ccw(c987.11,1156.26) 998.16,1145.21 cw(c1009.21,1134.17) 1009.21,1149.79 1031.23,1149.79 cw(c1031.23,1142.65) 1036.28,1147.7 ccw(c1038.09,1149.51) U18.3@1038.09,1146.95
  Bottom Layer w6: v1(312.4,1125.98) 312.4,1129.77 306.9,1135.27 306.9,1144.98 313.78,1151.86 915.86,1151.86 927.08,1140.64 950.12,1140.64 951.16,1139.6 951.44,1139.6 956.84,1134.2 v1(960.63,1134.2)
FINGER_2_I2C_INT: J2.6 U11.44 | length 805.8
  Top Layer w6: v1(1940.94,1125.98) 1940.94,1128.63 1948.82,1136.5 J2.6@1948.82,1170.67
  Top Layer w8: v1(2066.93,606.3) 2068.9,604.33 U11.44@2120.08,604.33
  Int2 (Sign) w6: v1(1940.94,1125.98) 1940.94,1062.99 1870.08,992.13 1870.08,818.9 1925.2,763.78 2031.5,763.78 2080.31,714.97 2080.31,619.68 v1(2066.93,606.3)
FINGER_2_SIG_CH1: J2.8 U11.51 | length 677.8
  Top Layer w6: v1(1909.45,1125.98) 1925.2,1141.73 J2.8@1925.2,1170.67
  Top Layer w7: U11.51@2001.97,761.81 2001.97,702.26 2012.57,691.66 v1(2013.07,691.66)
  Int2 (Sign) w6: v1(1909.45,1125.98) 1909.45,1066.93 1850.39,1007.87 1850.39,811.02 1870.89,790.53 1921.26,740.16 1964.57,740.16 v1(2013.07,691.66)
FINGER_2_SIG_CH2: J2.10
FINGER_2_SIG_CH3: J2.12
FINGER_2_USB_DN: J2.20 U18.4 | length 1037.9
  Top Layer w6: v1(955.81,1075.1) 959.39,1075.1 966.32,1068.17 974.81,1068.17 981.69,1075.06 981.69,1096.41 1009.71,1124.42 1026.12,1124.42 1028.96,1127.26 U18.4@1030.02,1127.26 ; v1(1779.53,1125.98) 1779.53,1127.75 1788.28,1136.5 1788.28,1160.54 1783.46,1165.35 J2.20@1783.46,1170.67
  Bottom Layer w6: v1(955.81,1075.1) 959.39,1075.1 966.32,1068.17 1748.58,1068.17 1788.28,1107.86 1788.28,1115.47 1779.53,1124.22 v1(1779.53,1125.98)
FINGER_2_USB_DP: J2.18 U18.5 | length 1059.3
  Top Layer w6: v1(956.69,1047.24) 960.28,1047.24 967.21,1054.17 980.61,1054.17 995.69,1069.26 995.69,1090.61 1015.51,1110.42 1026.12,1110.42 1028.96,1107.58 U18.5@1030.02,1107.58 ; J2.18@1807.09,1170.67 1807.09,1165.35 1802.28,1160.54 1802.28,1136.5 1811.02,1127.75 v1(1811.02,1125.98)
  Bottom Layer w6: v1(956.69,1047.24) 960.28,1047.24 967.21,1054.17 1754.38,1054.17 1802.28,1102.06 1802.28,1115.47 1811.02,1124.22 v1(1811.02,1125.98)
FINGER_3_I2C_INT: J3.6 U11.45 | length 1595.9
  Top Layer w8: U11.45@2120.08,624.02 2175.89,624.02 2181.79,629.92 v1(2185.04,629.92) ; v1(3444.88,1094.49) J3.6@3444.88,1170.67
  Int2 (Sign) w8: v1(2185.04,629.92) 2244.09,629.92 2322.83,708.66 2476.38,708.66 2772.84,1005.13 3355.52,1005.13 v1(3444.88,1094.49)